# Altium PCB XTIDA-010086.PcbDoc (part 1 of 17)
Units mm, origin at the board's own origin, x right, y up, seen from the top; angles counter-clockwise.
Board outline 375 x 210 mm, 6 copper layers (Top Layer, GND Layer, Signal Layer 1, Signal Layer 2, Power Layer, Bottom Layer), stack 1.575 mm thick; 1884 components, 1036 nets, 4948 pads, 6791 vias.
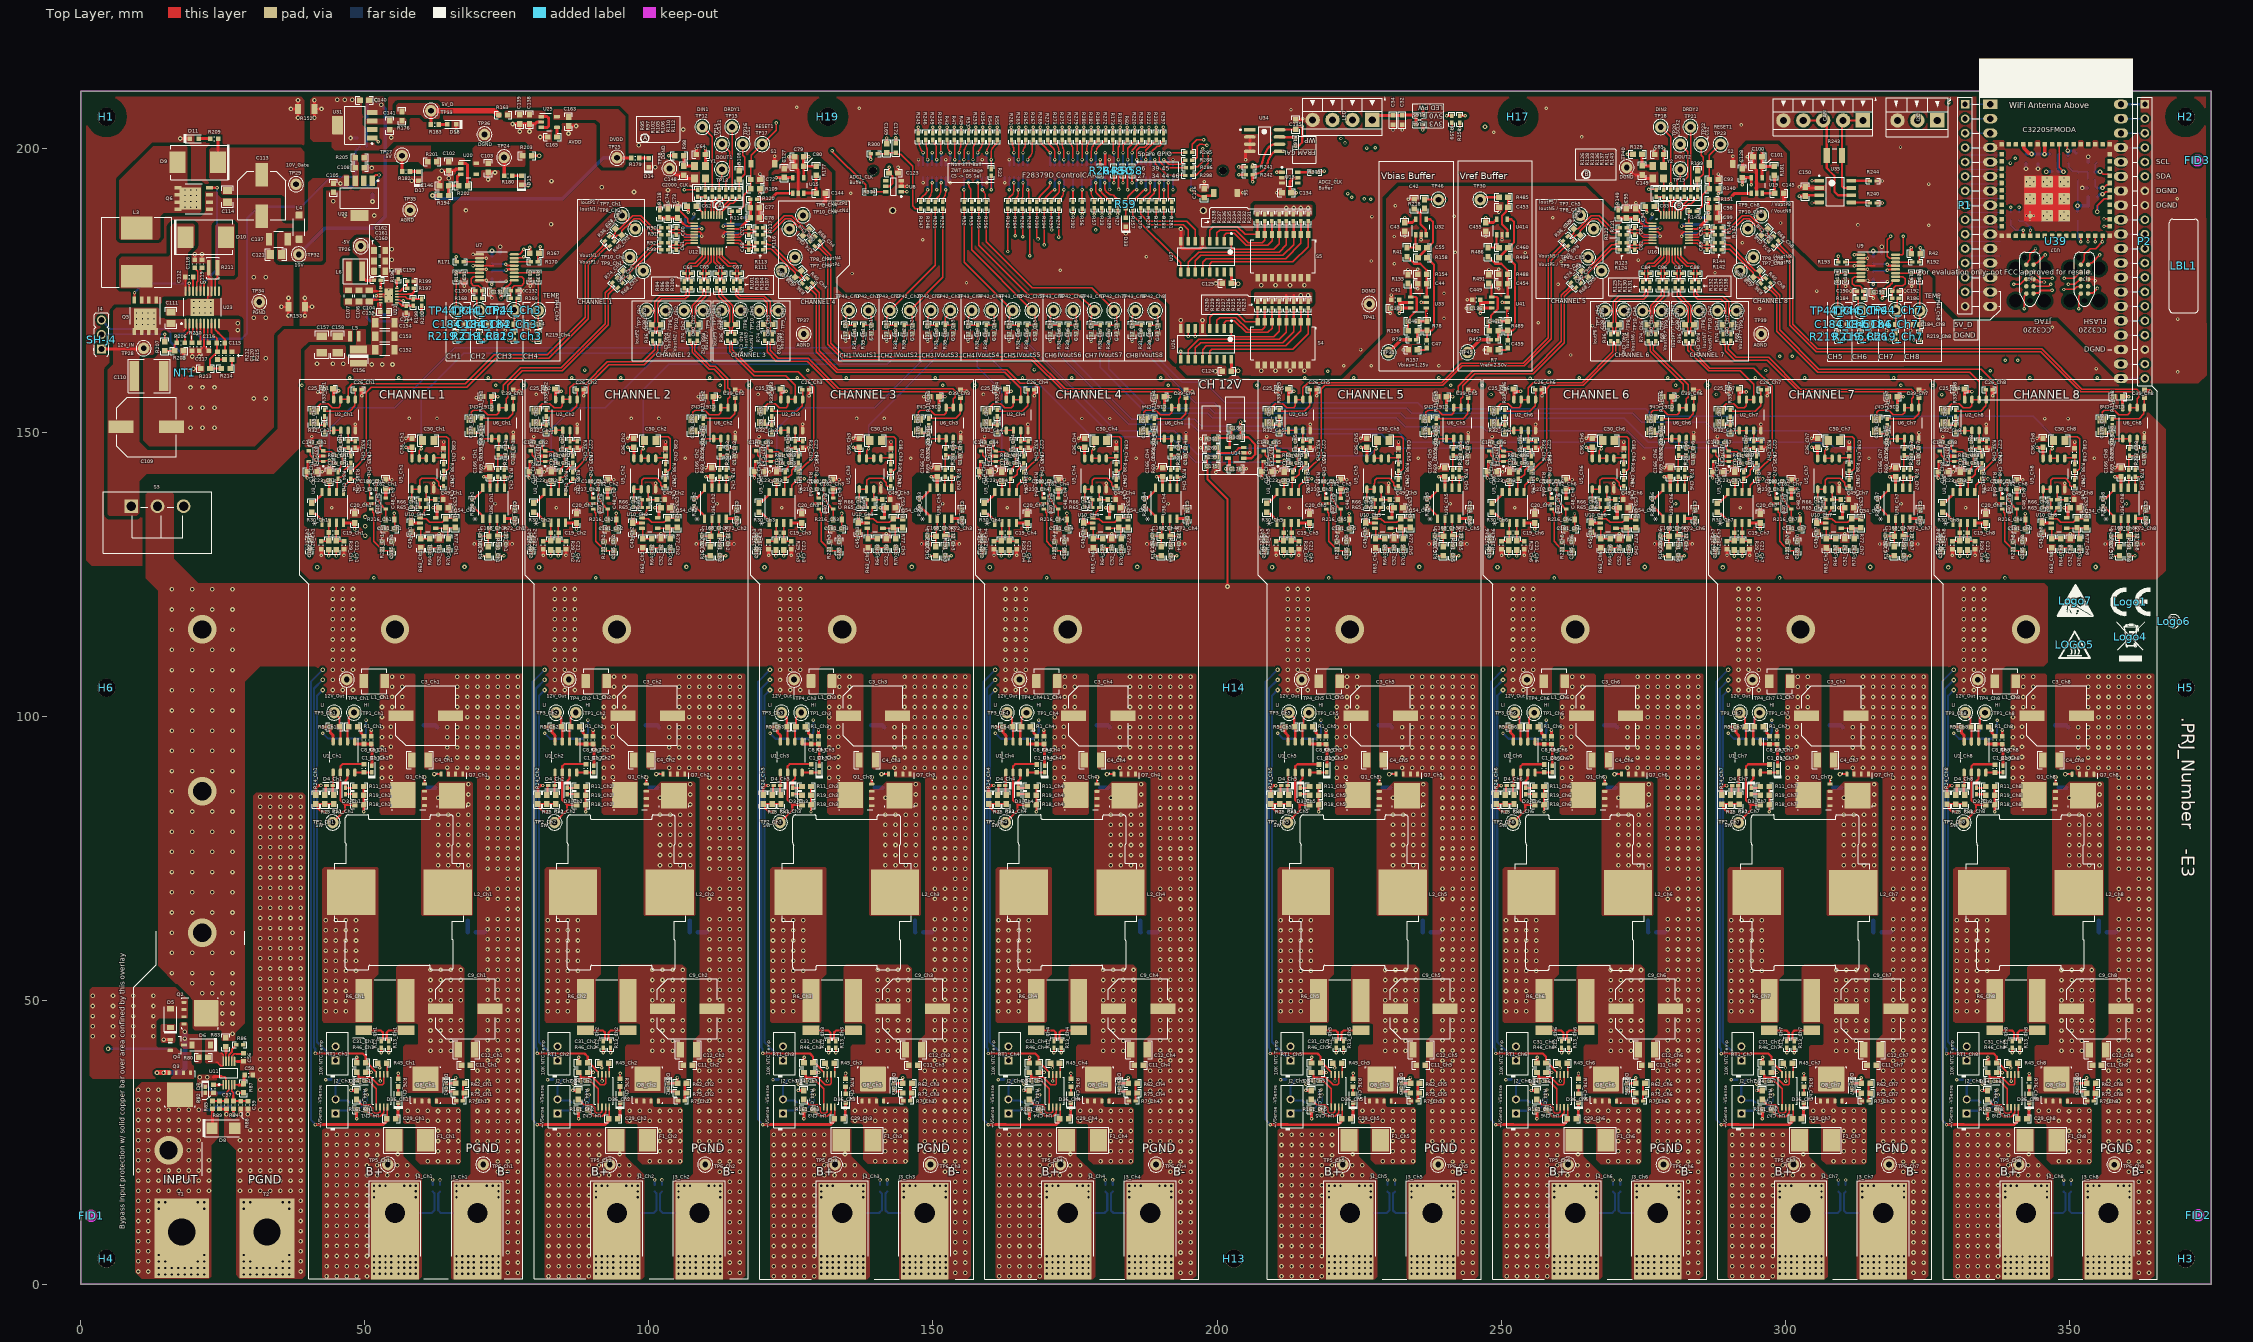
[diagram p0: Top Layer view]
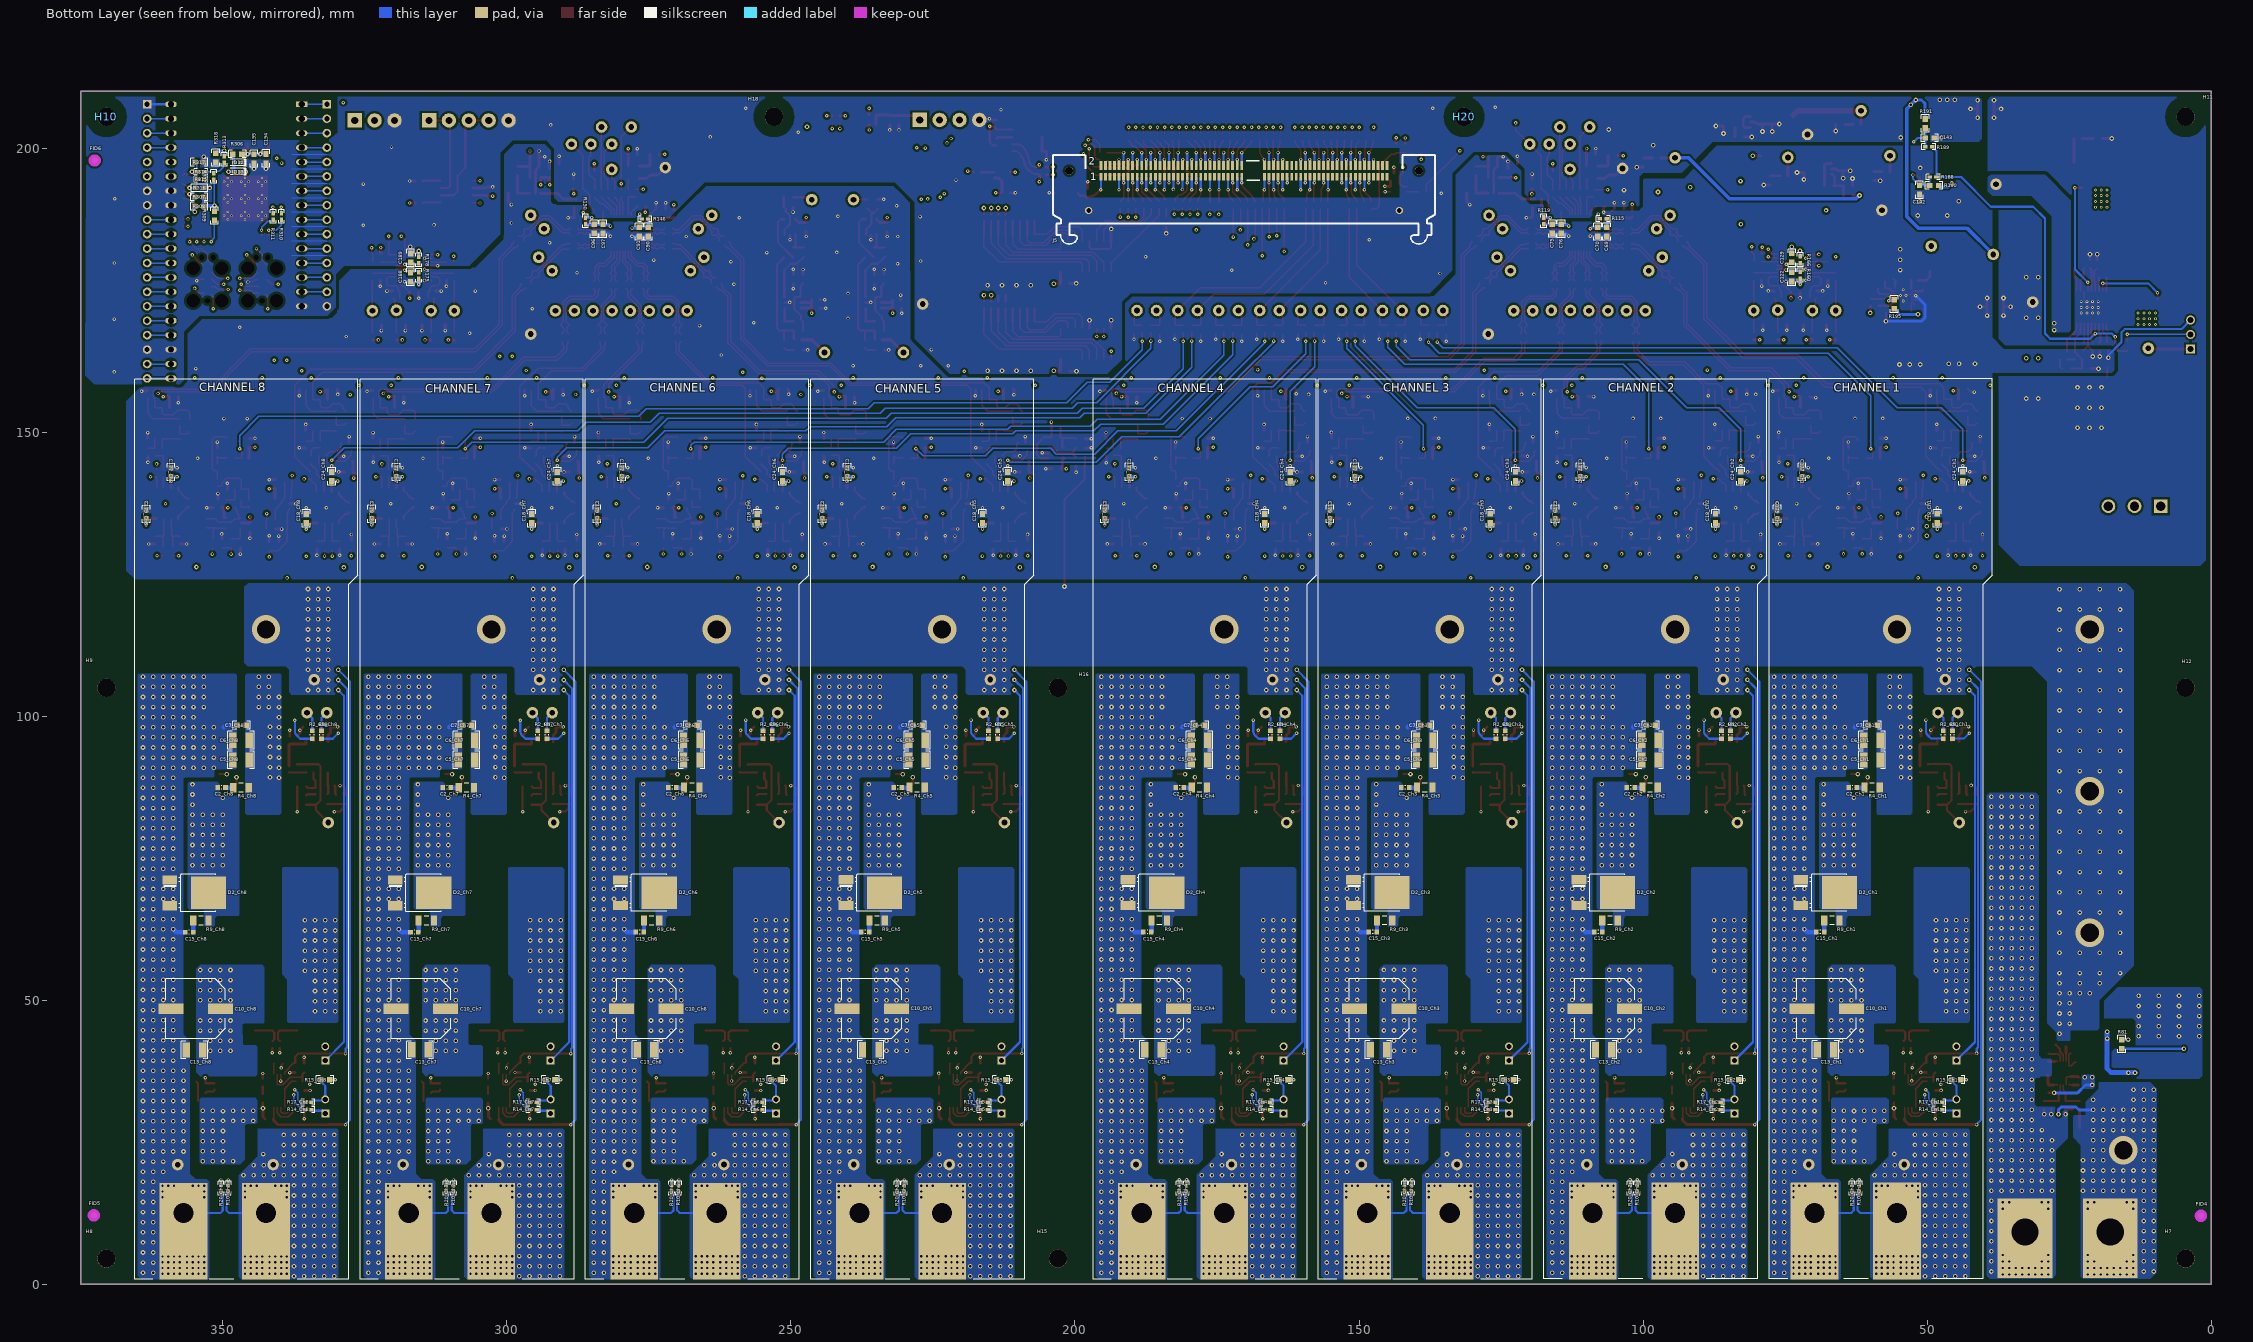
[diagram p1: Bottom Layer view, seen from below]
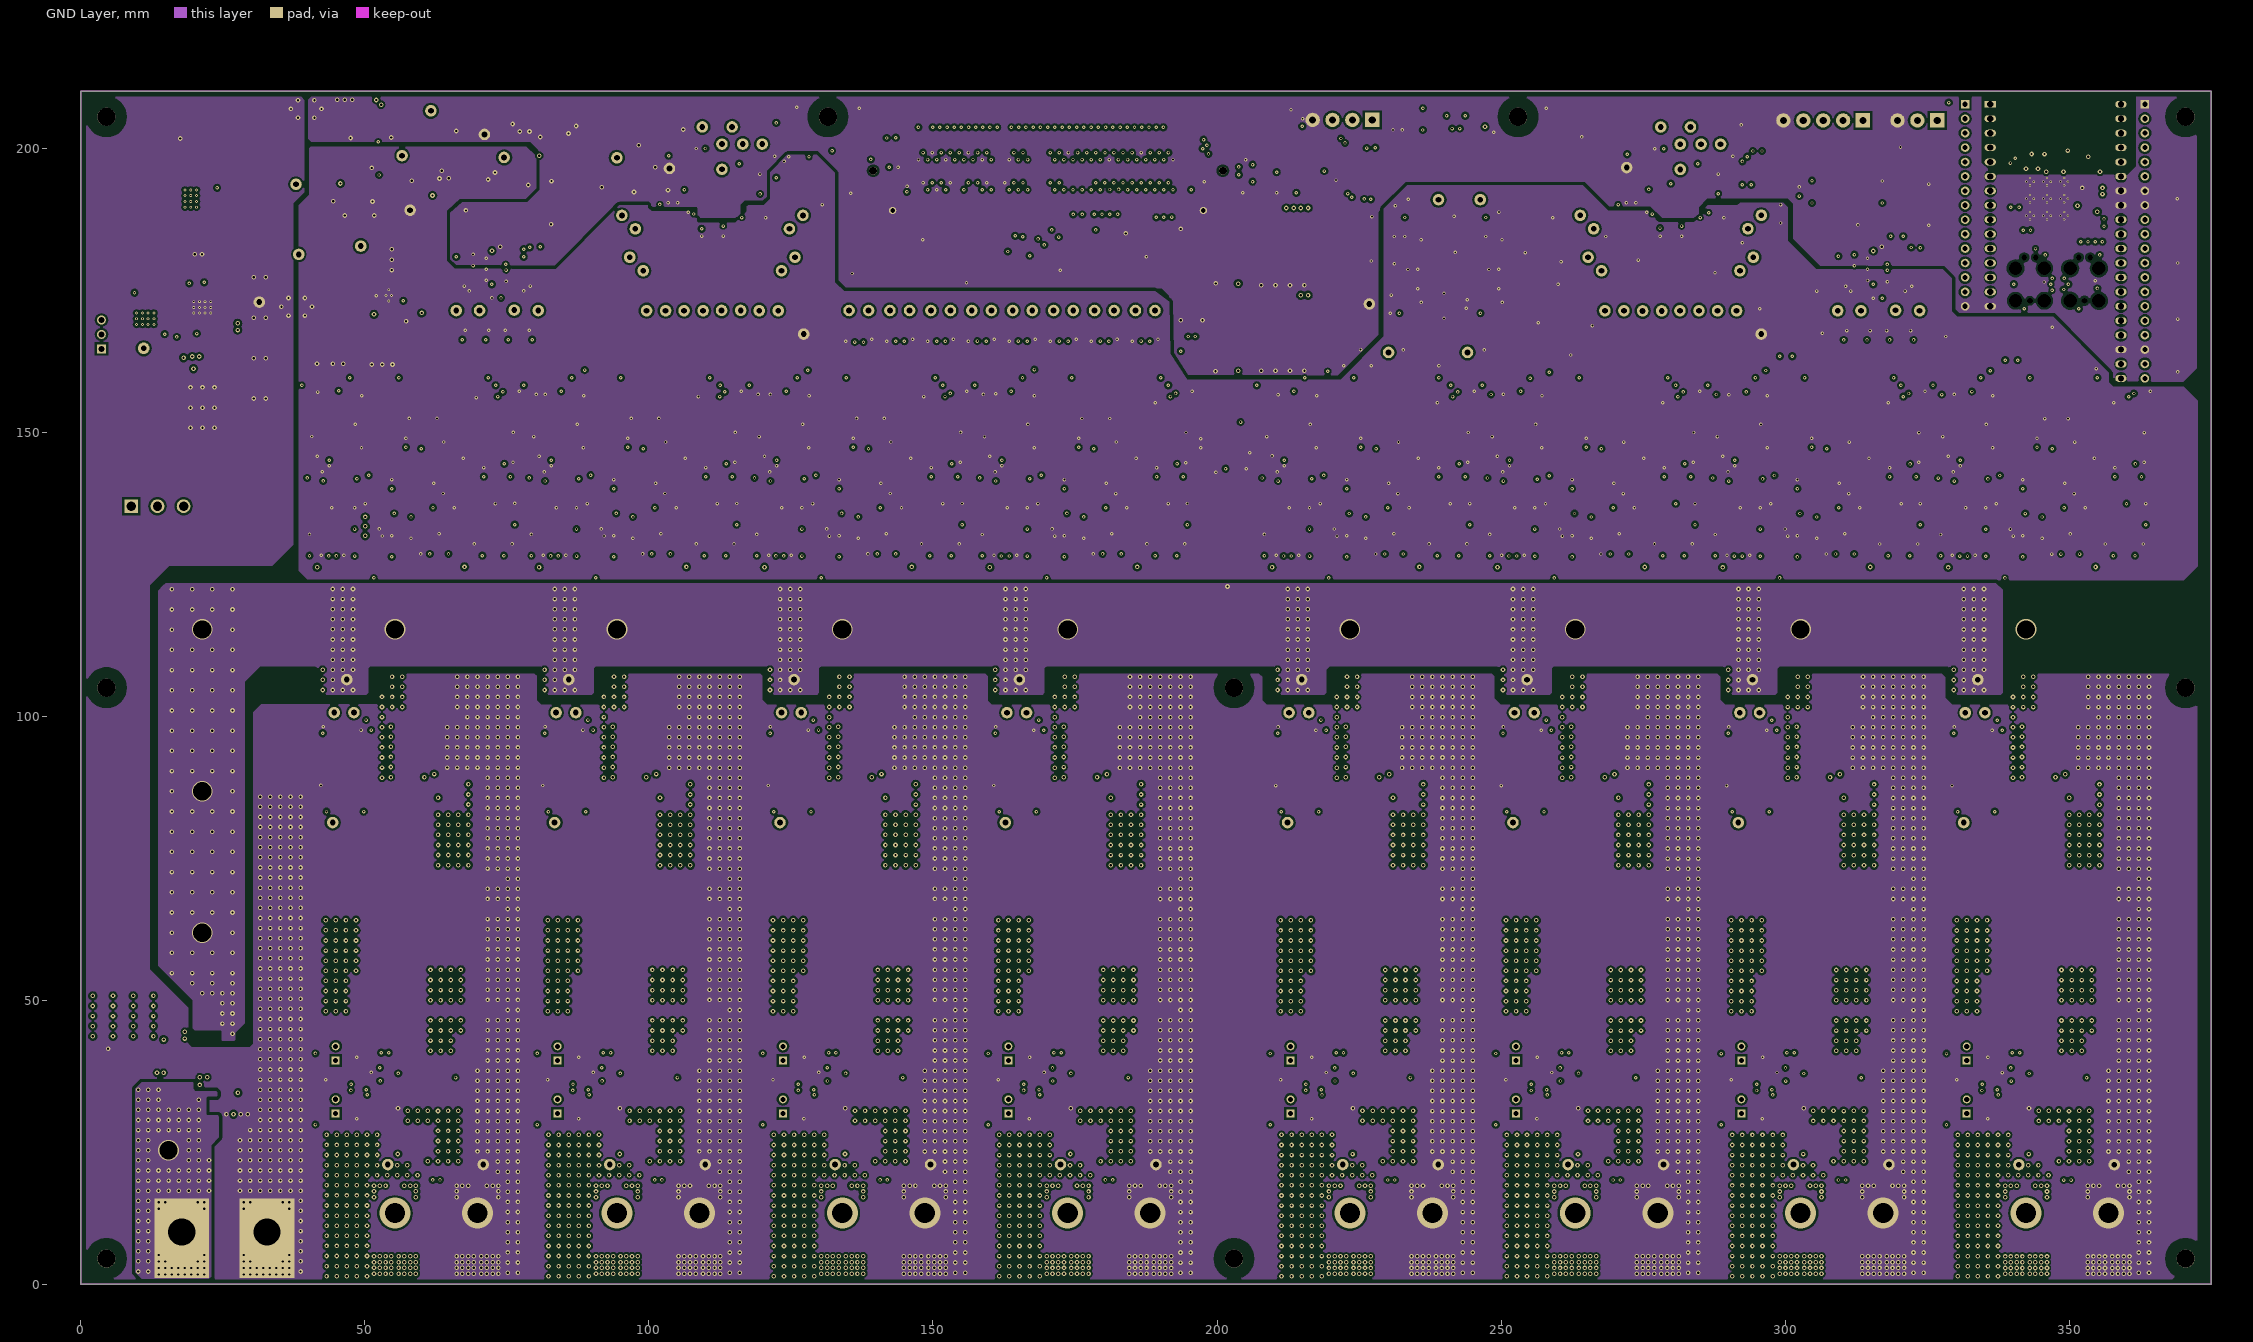
[diagram p2: GND Layer]
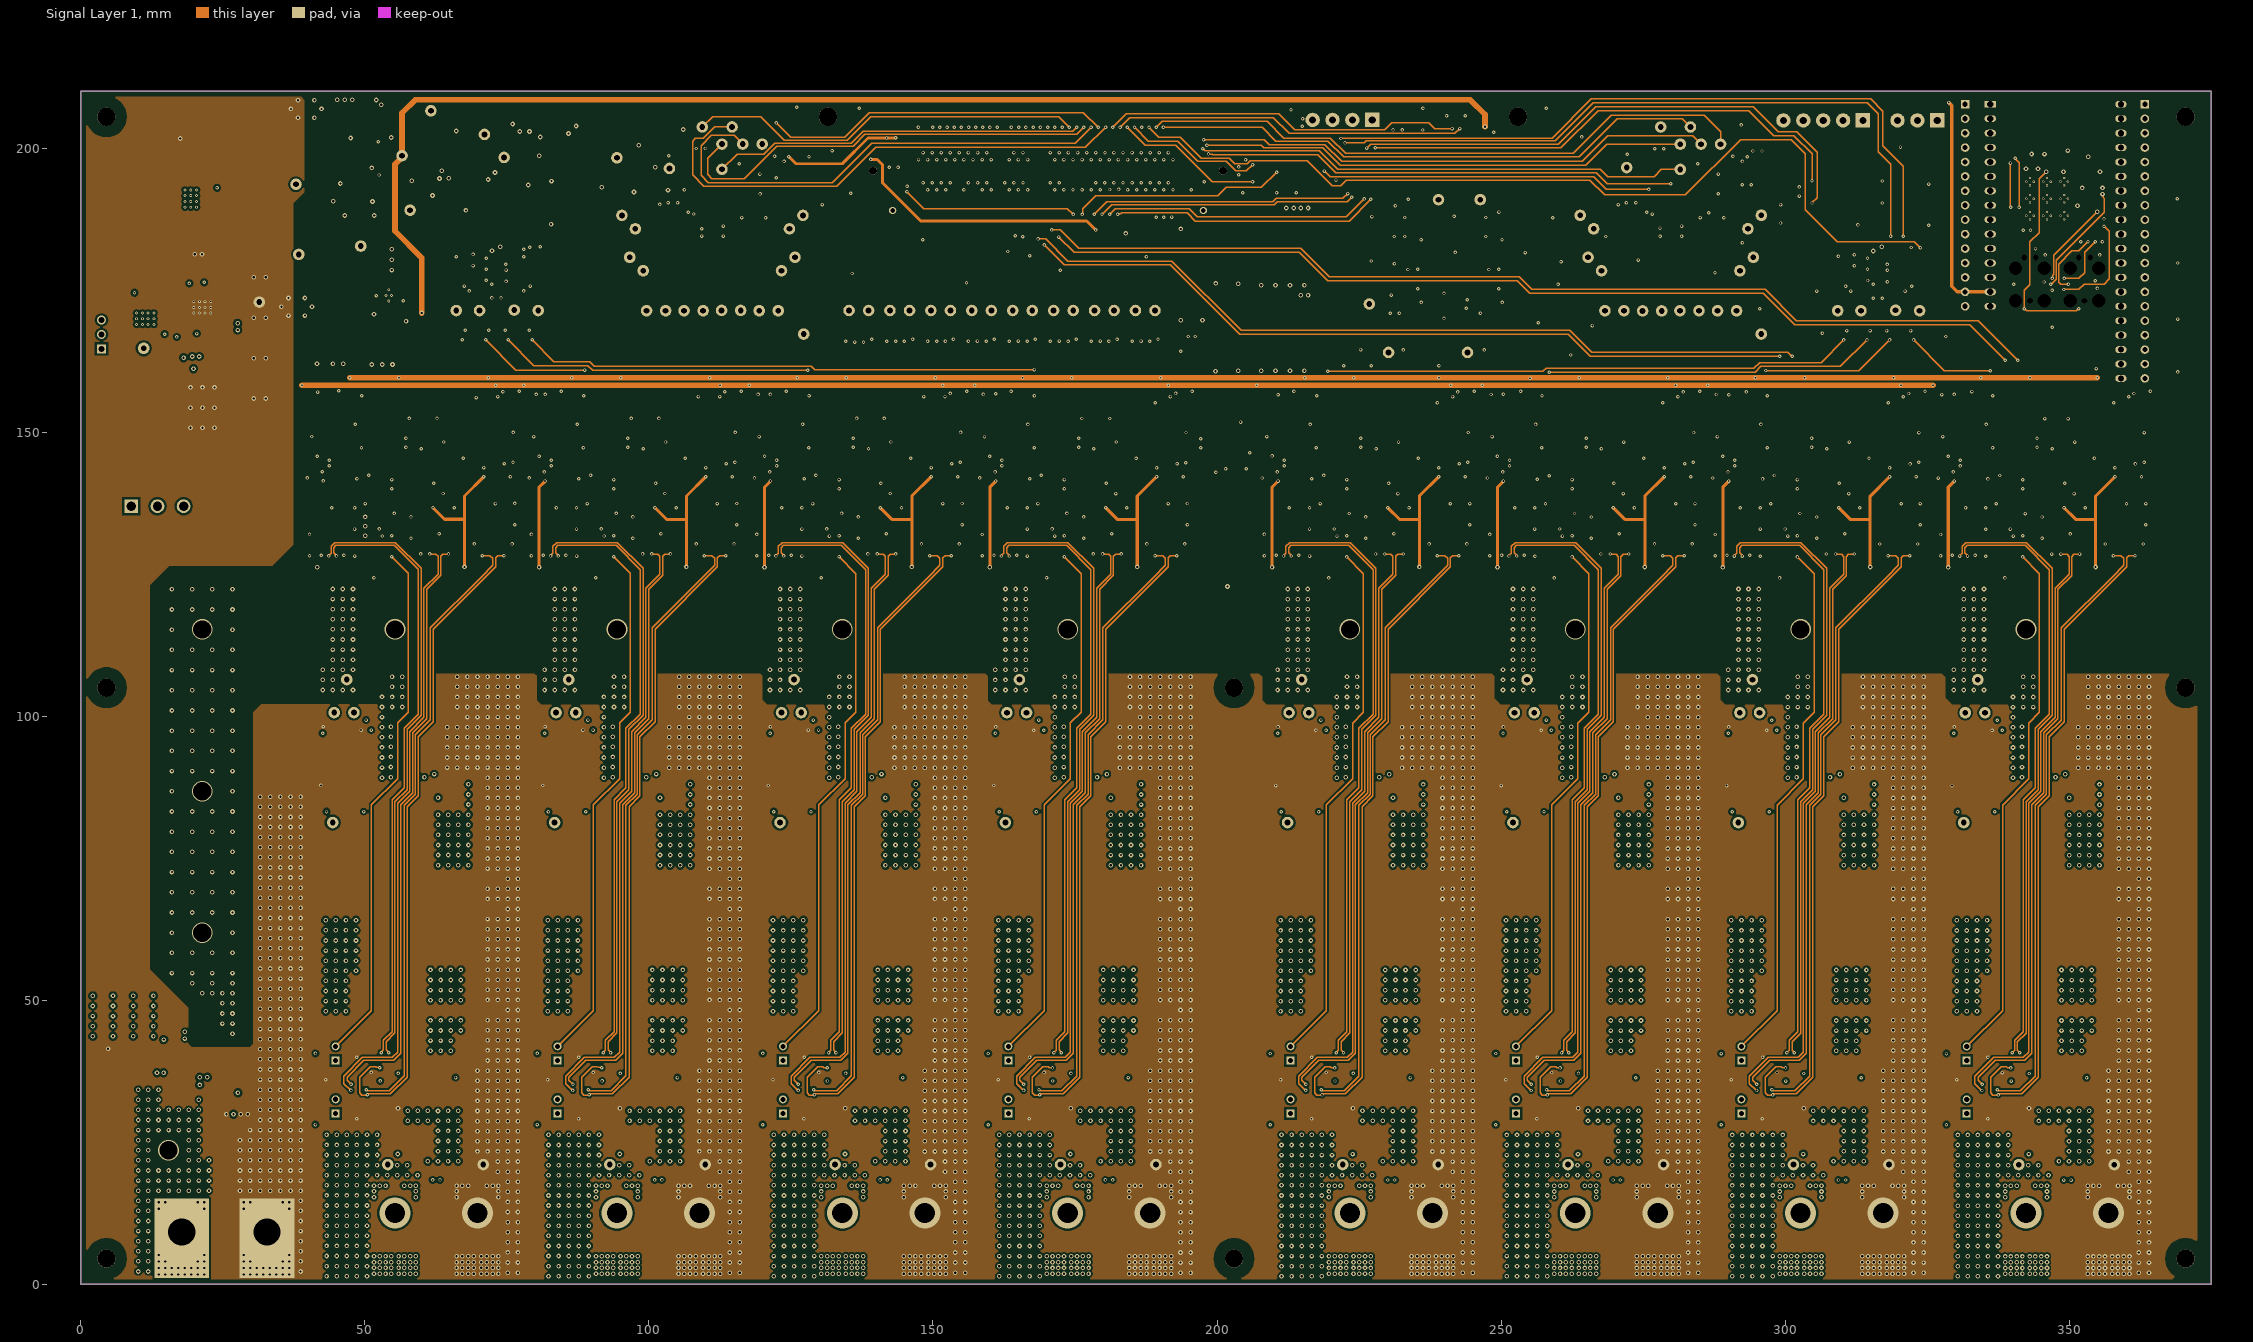
[diagram p3: Signal Layer 1]
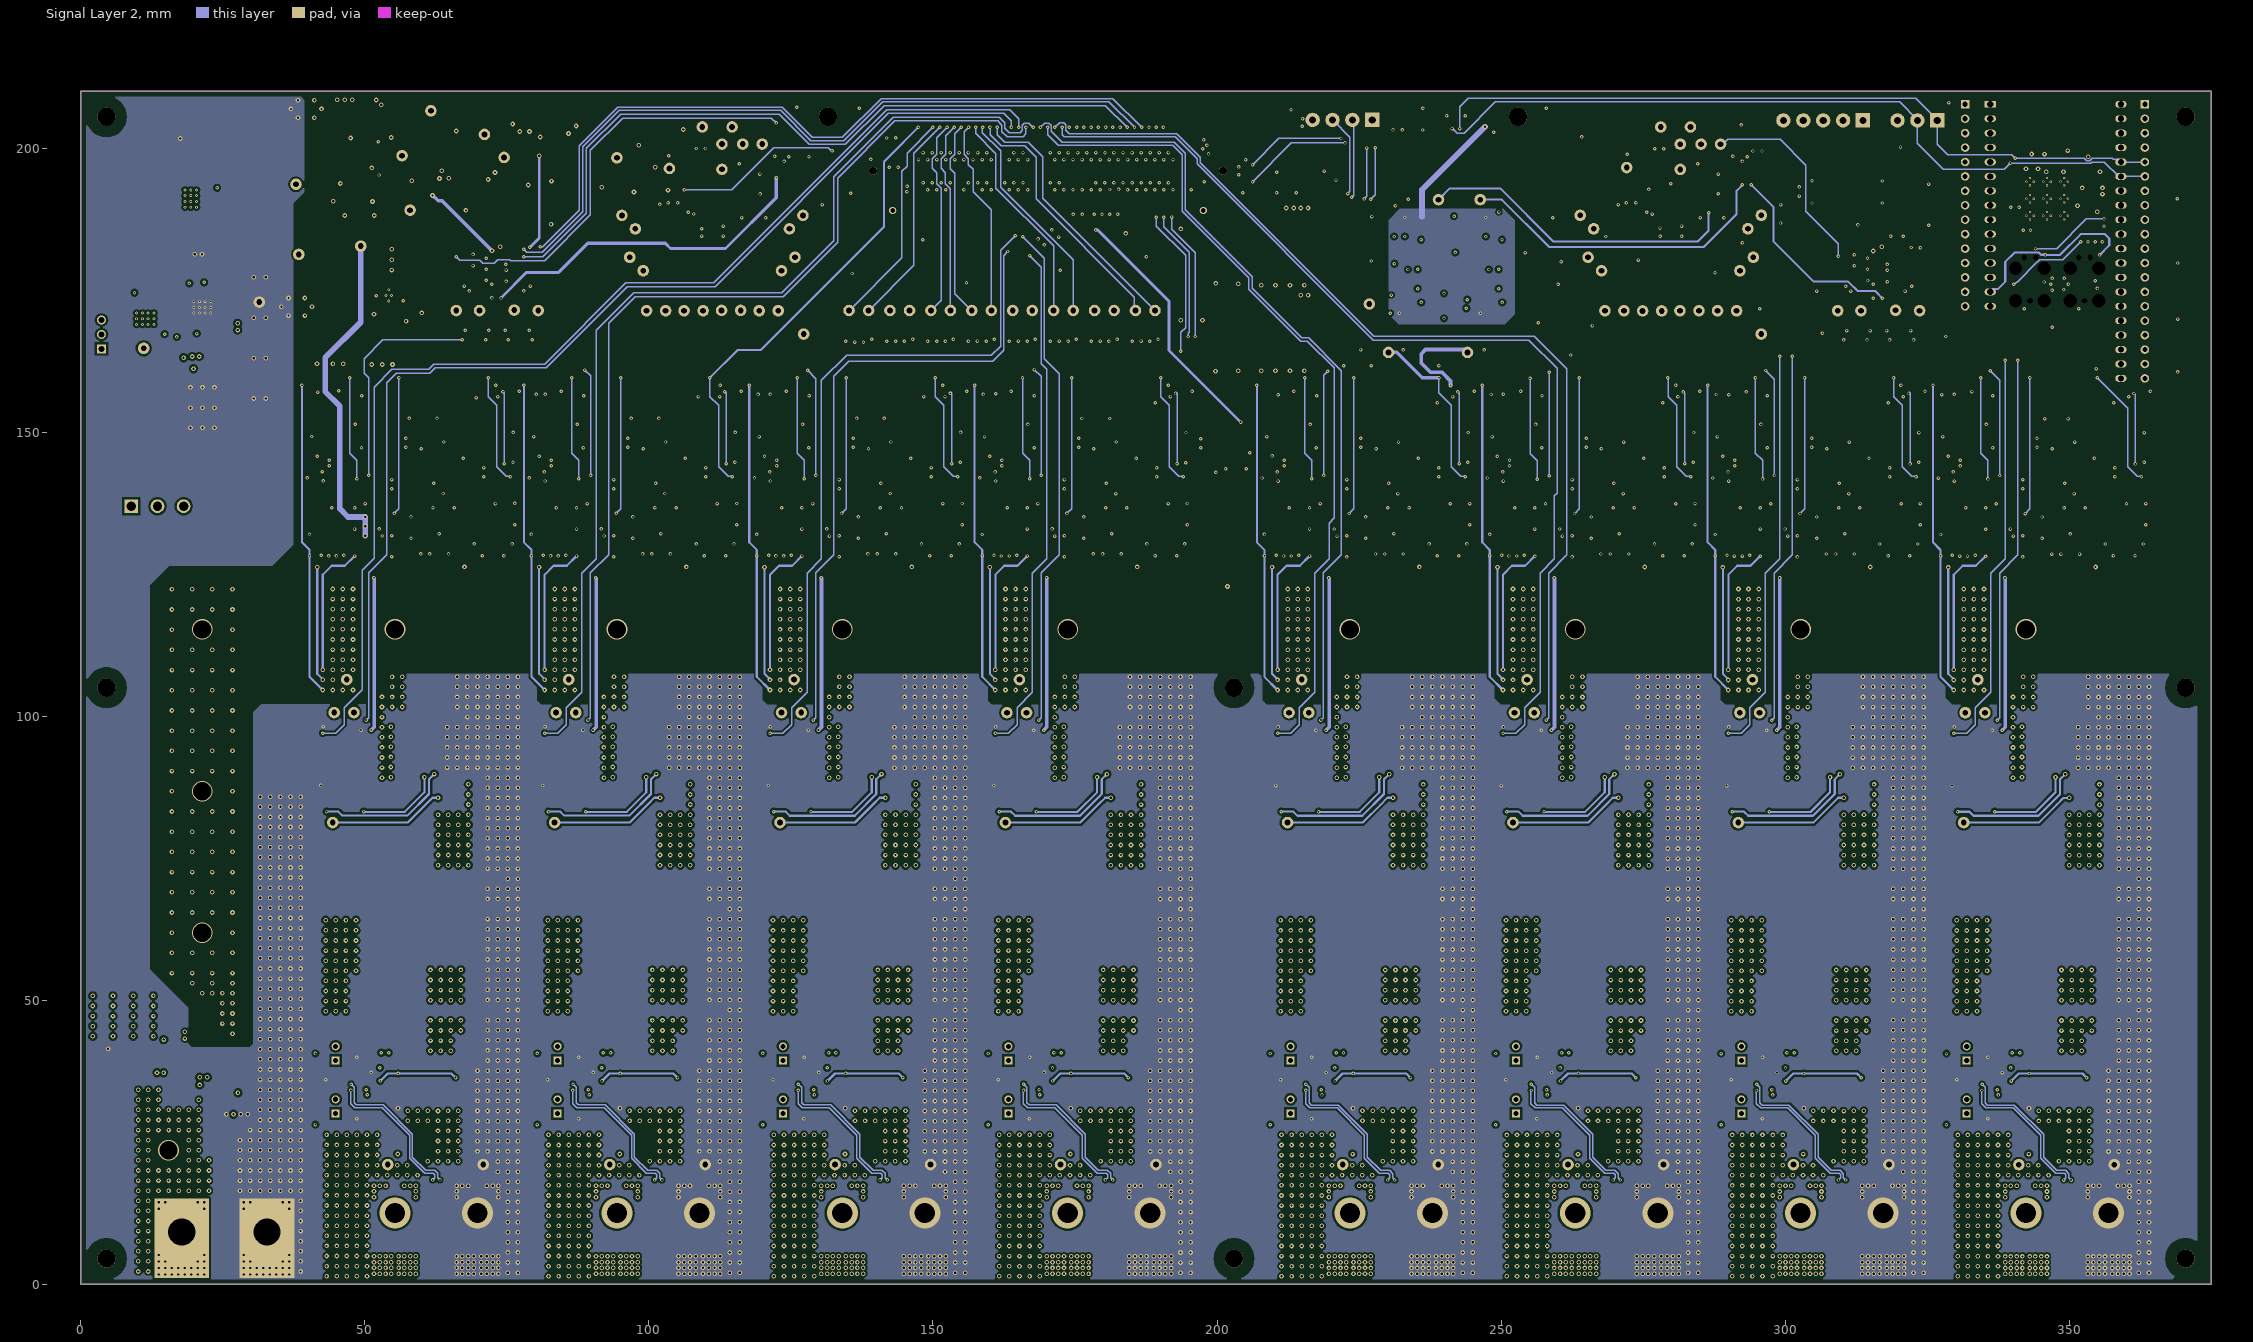
[diagram p4: Signal Layer 2]